# Altium PCB L1_SmashBoy_PCB2.PcbDoc (part 1 of 3)
Units mm, origin at the board's own origin, x right, y up, seen from the top; angles counter-clockwise.
Board outline 95.7 x 90 mm, 4 copper layers (Top Layer, Int1 (GND), Int2 (PWR), Bottom Layer), stack 1.531 mm thick; 133 components, 156 nets, 820 pads, 308 vias.
Unrouted connection lines stored in the file: 4.
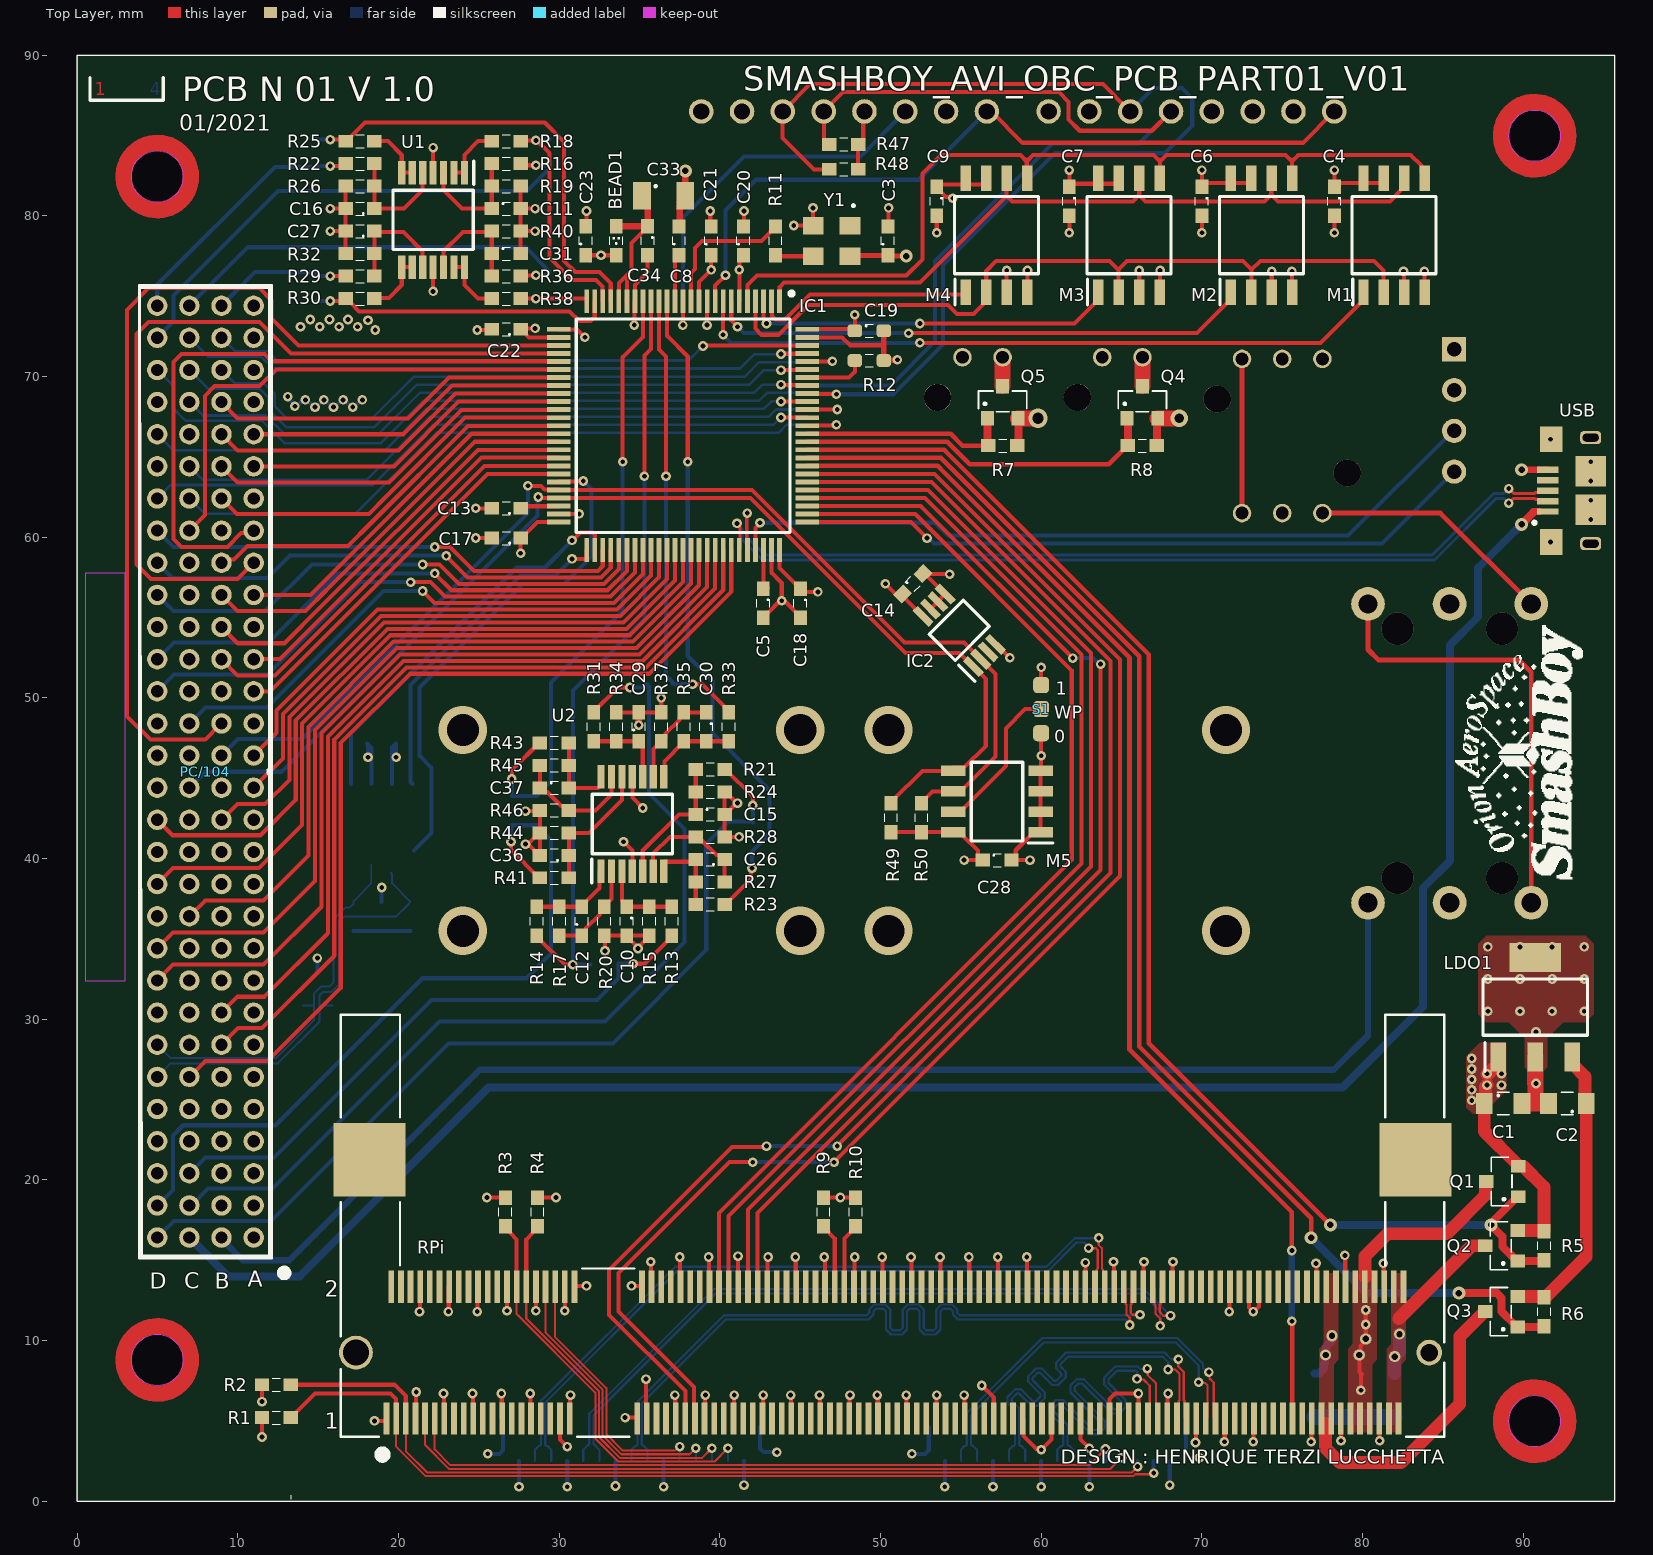
[diagram p0: Top Layer view]
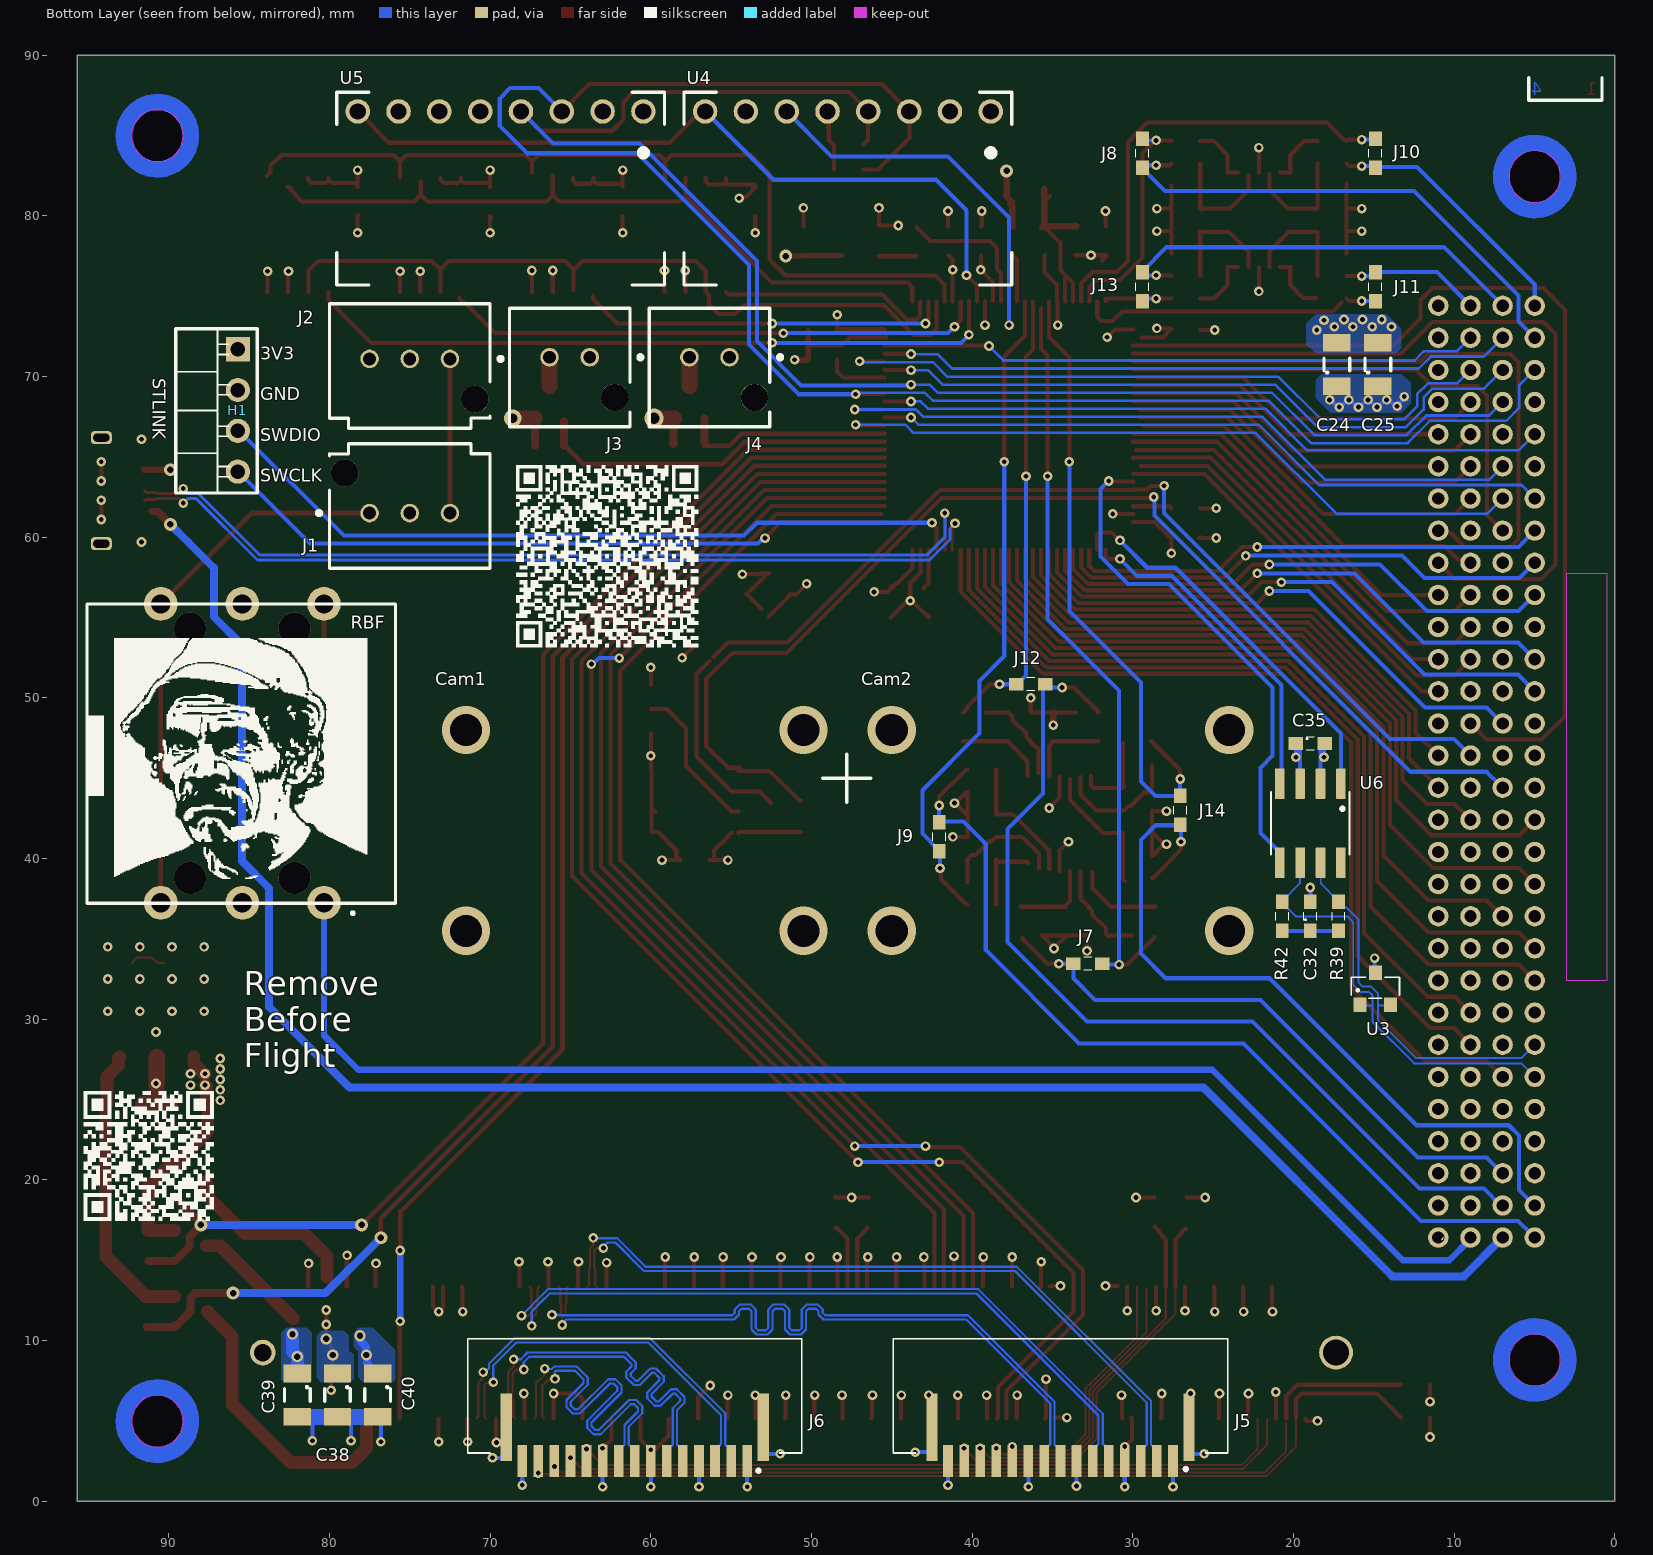
[diagram p1: Bottom Layer view, seen from below]
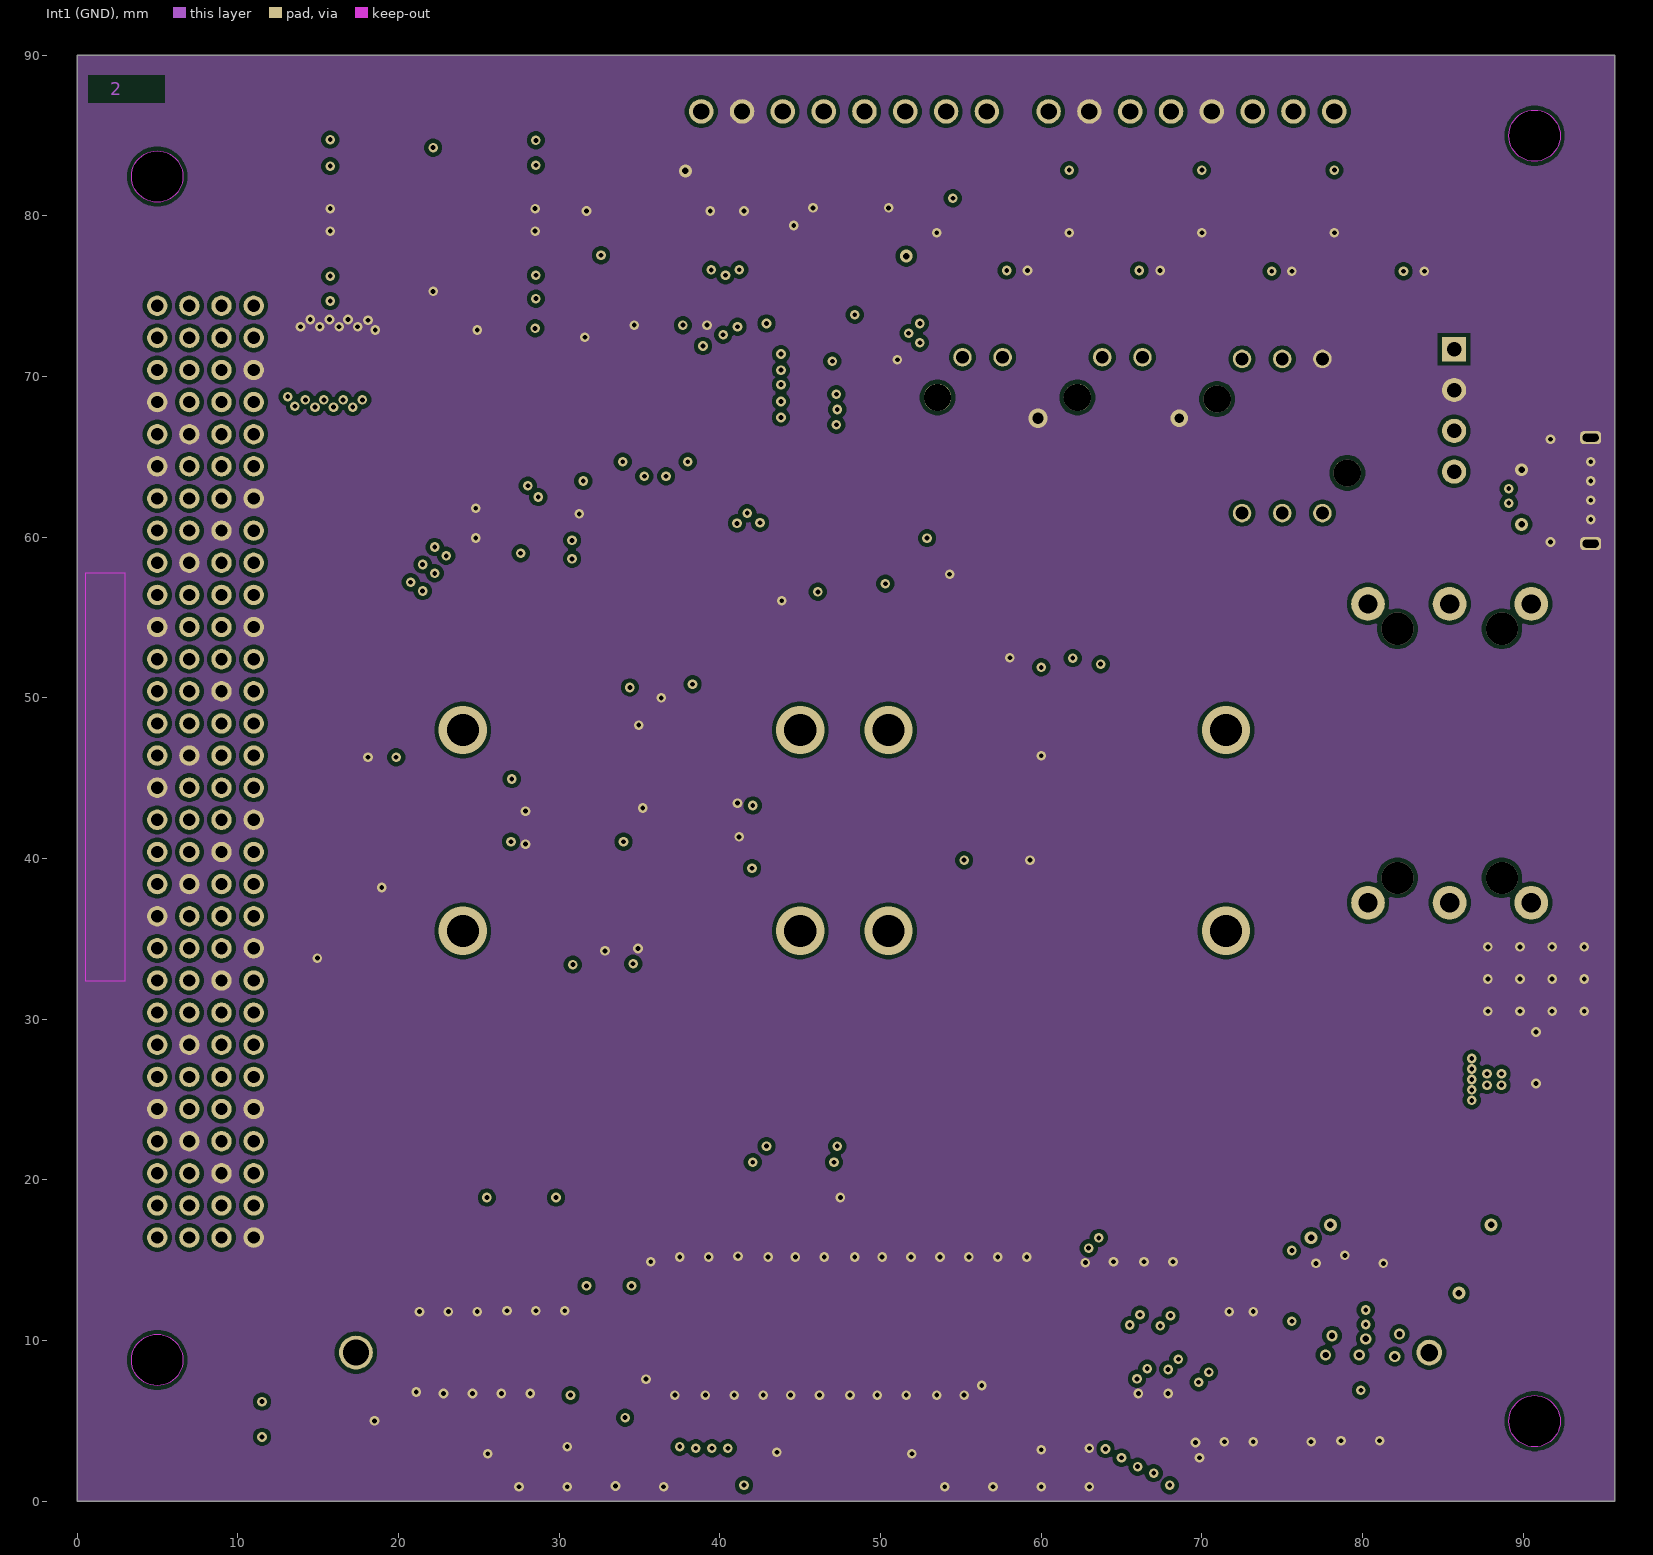
[diagram p2: Int1 (GND)]
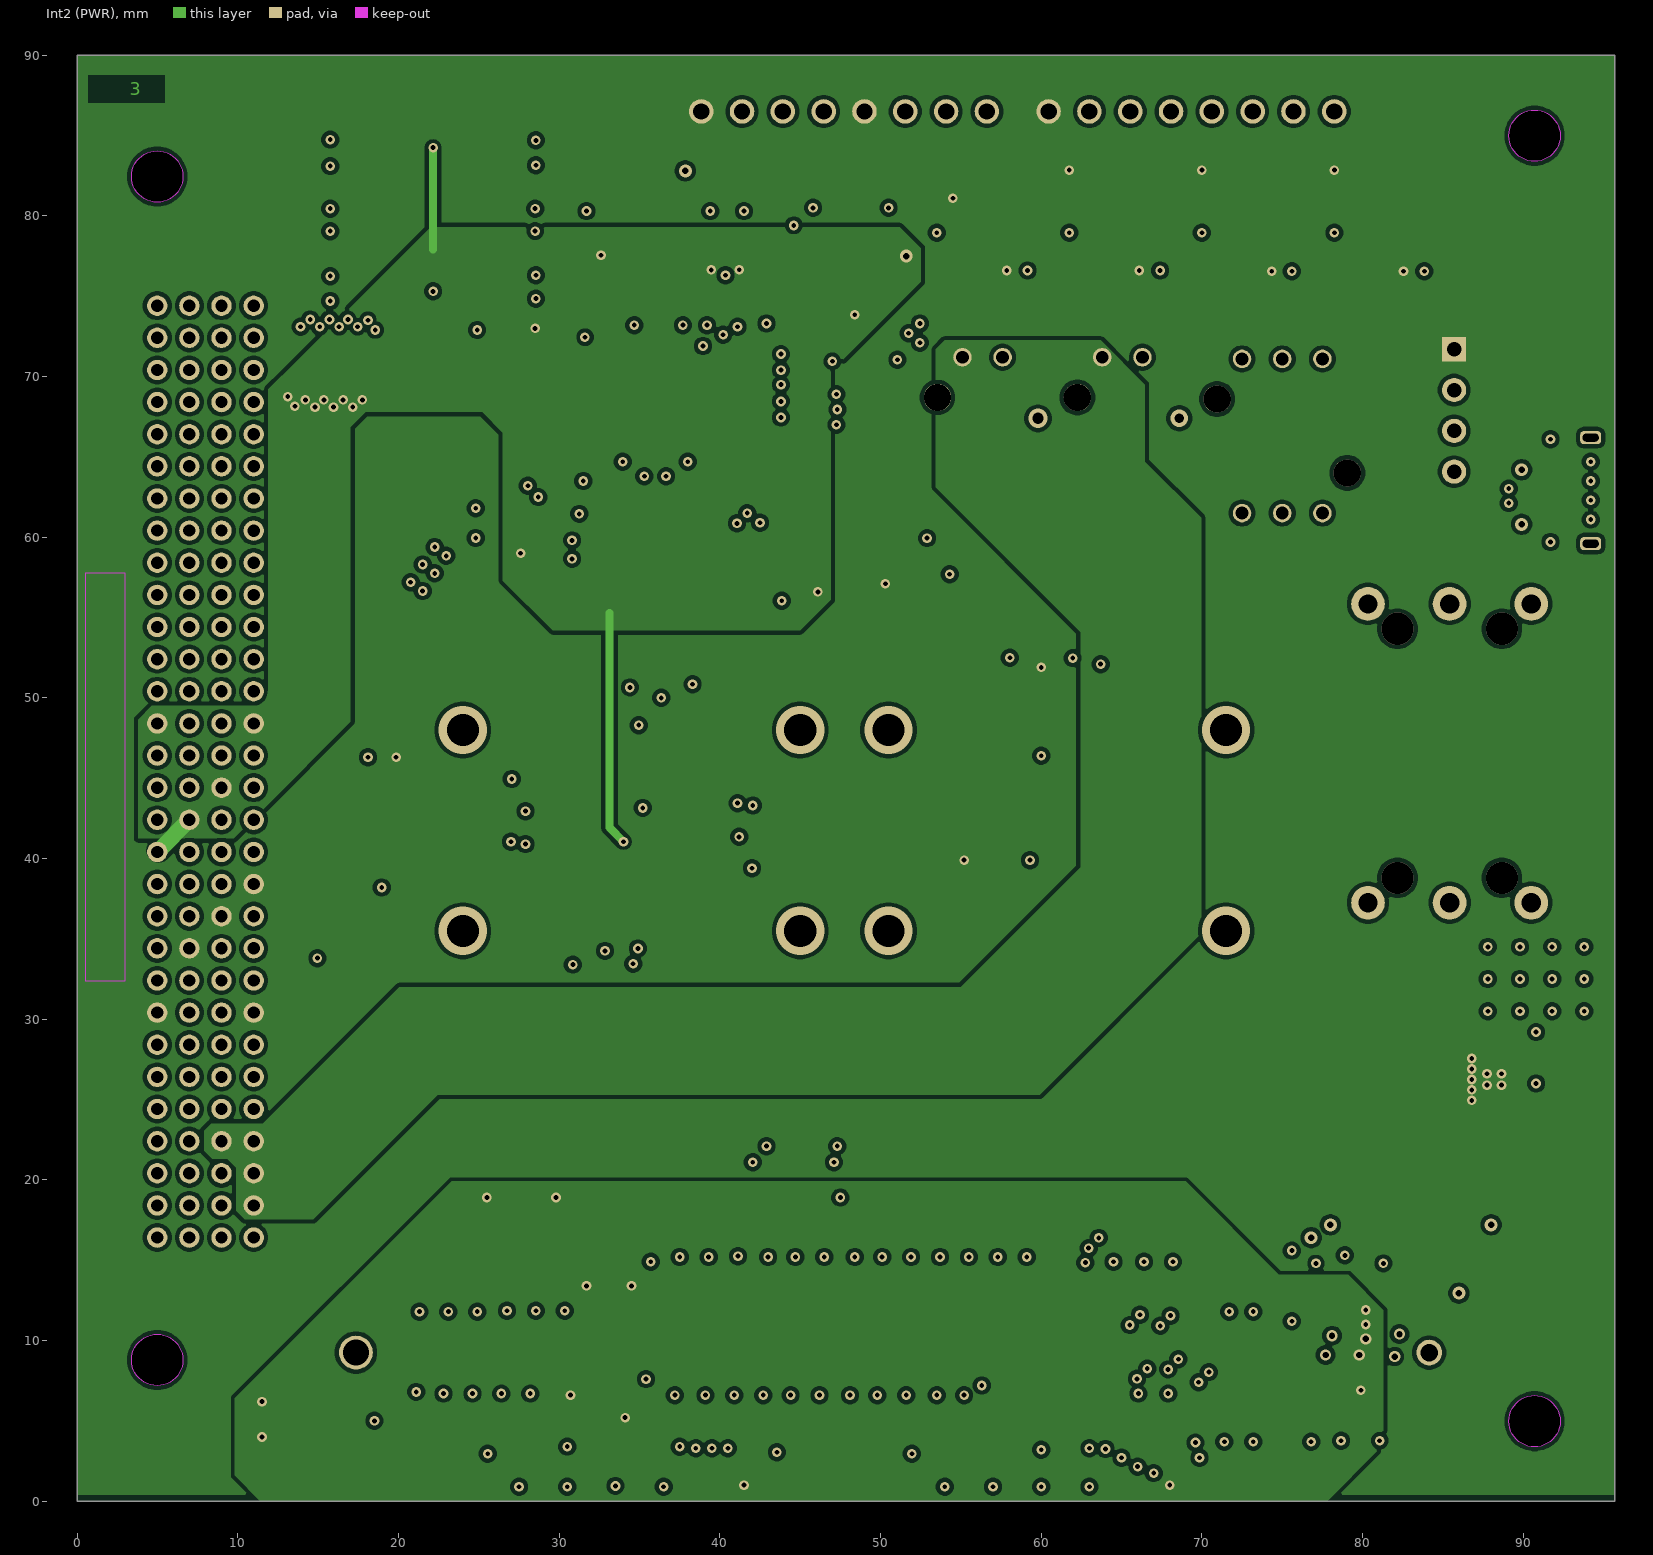
[diagram p3: Int2 (PWR)]

## Layer stack, top to bottom
Top Solder: solder mask 0.0203, SM-001, Dk 3.8
Top Layer: signal copper 0.035
Dielectric 1: prepreg 0.1803, PP-017, Dk 4.6
Int1 (GND): signal copper 0.0175
Dielectric 3: core 1.065, Core-039, Dk 4.6
Int2 (PWR): signal copper 0.0175
Dielectric 5: prepreg 0.1803, PP-017, Dk 4.6
Bottom Layer: signal copper 0.035
Bottom Solder: solder mask 0.0203, SM-001, Dk 3.8

## Board outline
0,0 95.7,0 95.7,90 0,90
cut-out: 3.38,82.45 cw(c4.98,82.45) 4.98,84.05 cw(c4.98,82.45) 6.58,82.45 cw(c4.98,82.45) 4.98,80.85 cw(c4.98,82.45)
cut-out: 89.11,84.99 cw(c90.71,84.99) 90.71,86.59 cw(c90.71,84.99) 92.31,84.99 cw(c90.71,84.99) 90.71,83.39 cw(c90.71,84.99)
cut-out: 89.11,4.98 cw(c90.71,4.98) 90.71,6.58 cw(c90.71,4.98) 92.31,4.98 cw(c90.71,4.98) 90.71,3.38 cw(c90.71,4.98)
cut-out: 3.38,8.79 cw(c4.98,8.79) 4.98,10.39 cw(c4.98,8.79) 6.58,8.79 cw(c4.98,8.79) 4.98,7.19 cw(c4.98,8.79)

## Design rules (kind name [scope] priority, off if disabled: settings)
Clearance Clearance_Defferents [All] p1: gap=0.254 ignorepadtopadclearanceinfootprint=FALSE except(0.1: Arc-Arc Arc-Track Track-Track; 0.11: Arc-THPad Arc-Via Track-THPad Track-Via; 0.127: SMDPad-SMDPad; 0.2: Arc-SMDPad Track-SMDPad; 0.3: Via-Via; 0.5: SMDPad-THPad THPad-THPad)
DiffPairsRouting CAM_DiffPairsRouting [InDifferentialPairClass('Camera')] p1: maxlimit=0.254 minlimit=0.127 mostfreqgap=0.254 toplayer_maxgap=0.127 toplayer_prefgap=0.127 toplayer_minwidth=0.14 toplayer_maxwidth=0.14 toplayer_prefwidth=0.14 bottomlayer_maxgap=0.127 bottomlayer_prefgap=0.127 bottomlayer_minwidth=0.14 bottomlayer_maxwidth=0.14 bottomlayer_prefwidth=0.14 impedanceprofiledriven=TRUE impedanceprofileid={45C40584-5B26-41E9-B30A-09CC3CCF649E} impedanceprofilevalue=100.000000 maxuncoupledlength=12.7
DiffPairsRouting USB_DiffPairsRouting [InDifferentialPairClass('USB')] p2: maxlimit=0.254 minlimit=0.127 mostfreqgap=0.254 toplayer_maxgap=0.127 toplayer_prefgap=0.127 toplayer_minwidth=0.191 toplayer_maxwidth=0.191 toplayer_prefwidth=0.191 bottomlayer_maxgap=0.127 bottomlayer_prefgap=0.127 bottomlayer_minwidth=0.191 bottomlayer_maxwidth=0.191 bottomlayer_prefwidth=0.191 impedanceprofiledriven=TRUE impedanceprofileid={2494876D-E25F-4611-8AFE-0DD5E4A9C8F3} impedanceprofilevalue=90.000000 maxuncoupledlength=12.7
DiffPairsRouting CAN_DiffPairsRouting [InDifferentialPairClass('CAN_BUS')] p3: maxlimit=0.254 minlimit=0.169 mostfreqgap=0.254 toplayer_mingap=0.21 toplayer_maxgap=0.21 toplayer_prefgap=0.21 toplayer_minwidth=0.12 toplayer_maxwidth=0.12 toplayer_prefwidth=0.12 bottomlayer_mingap=0.21 bottomlayer_maxgap=0.21 bottomlayer_prefgap=0.21 bottomlayer_minwidth=0.12 bottomlayer_maxwidth=0.12 bottomlayer_prefwidth=0.12 impedanceprofiledriven=TRUE impedanceprofileid={0D851708-2EBE-48F0-A0A5-C329664B20B2} impedanceprofilevalue=120.000000 maxuncoupledlength=12.7
HoleSize [All] p1: absolutevalues=TRUE maxlimit=6.3 minlimit=0.025 maxpercent=80.000 minpercent=20.000
HoleToHoleClearance [All] p1: gap=0.5 allowstackedmicrovias=TRUE
PlaneConnect [All] p1: planeconnectstyle=Direct reliefexpansion=0.508 reliefentries=4 reliefconductorwidth=0.254 reliefairgap=0.254
PolygonConnect [All] p1: connectstyle=Direct reliefconductorwidth=0.254 reliefentries=4 polygonreliefangle="45 Angle" airgapwidth=0.254
RoutingVias [All] p1: holewidth=0.4 width=0.8 viastyle="Through Hole" minholewidth=0.3 minwidth=0.6 maxholewidth=0.8 maxwidth=1.2
SolderMaskExpansion [All] p1: expansion=0.102 istentingtop=FALSE
Width [All] p1: maxlimit=3 minlimit=0.09 preferedwidth=0.127
26 further rules are at their usual default settings.

## Classes and differential pairs
differential pair class CAN_BUS: CAN
differential pair class USB: USB
differential pair class Camera: CAM0_C CAM0_D0 CAM0_D1 CAM1_C CAM1_D0 CAM1_D1
differential pair CAN: +CAN_P -CAN_N
differential pair USB: +USB_P -USB_N
differential pair CAM1_D1: +CAM1_D1_P -CAM1_D1_N
differential pair CAM1_D0: +CAM1_D0_P -CAM1_D0_N
differential pair CAM1_C: +CAM1_C_P -CAM1_C_N
differential pair CAM0_D1: +CAM0_D1_P -CAM0_D1_N
differential pair CAM0_D0: +CAM0_D0_P -CAM0_D0_N
differential pair CAM0_C: +CAM0_C_P -CAM0_C_N

## Components (designator, comment, footprint, x,y, rotation, side; value= is the part's Value field where it differs from the comment)
BEAD1 "600R @ 100MHz" IND0603 33.55,78.45 r90 top
C1 "10uF" CAP0805_085 88.75,24.75 r0 top
C2 "10uF" CAP0805_085 92.75,24.75 r180 top
C3 "100nF" CAP0603_060#1 50.459,78.44 r90 top
C4 "100nF" CAP0603_060#1 78.25,80.9 r270 top
C5 "2.2uF" CAP0603_060#1 42.7,55.9 r270 top
C6 "100nF" CAP0603_060#1 70,80.9 r270 top
C7 "100nF" CAP0603_060#1 61.75,80.9 r270 top
C8 "100nF" CAP0603_060#1 37.459,78.44 r90 top
C9 "100nF" CAP0603_060#1 53.5,80.9 r270 top
C10 "680pF" CAP0603_060#1 34.2,36.1 r270 top
C11 "680pF" CAP0603_060#1 26.7,80.45 r0 top
C12 "100pF" CAP0603_060#1 31.4,36.1 r90 top
C13 "2.2uF" CAP0603_060#1 26.7,61.8 r180 top
C14 "100nF" CAP0603_060#1 52,57.1 r45 top
C15 "680pF" CAP0603_060#1 39.4,42.75 r0 top
C16 "680pF" CAP0603_060#1 17.6,80.45 r180 top
C17 "100nF" CAP0603_060#1 26.709,59.94 r180 top
C18 "100nF" CAP0603_060#1 45.01,55.901 r270 top
C19 "100nF" CAP0603_060#2 49.3,72.85 r0 top
C20 "100nF" CAP0603_060#1 41.459,78.44 r90 top
C21 "100nF" CAP0603_060#1 39.459,78.44 r90 top
C22 "100nF" CAP0603_060#1 26.709,72.94 r180 top
C23 "100nF" CAP0603_060#1 31.65,78.45 r90 top
C24 "1uF" CAP1206_090 17.3,70.75 r90 bottom
C25 "4.7uF" CAP1206_090 14.75,70.75 r90 bottom
C26 "100pF" CAP0603_060#1 39.4,39.95 r180 top
C27 "680pF" CAP0603_060#1 17.6,79.05 r180 top
C28 "100nF" CAP0603_060#1 57.25,39.9 r0 top
C29 "680pF" CAP0603_060#1 34.95,48.2 r90 top
C30 "100pF" CAP0603_060#1 39.15,48.2 r270 top
C31 "680pF" CAP0603_060#1 26.7,77.65 r0 top
C32 "4.7nF" CAP0603_060#1 18.95,36.4 r90 bottom
C33 "1uF" CAP1206_090 36.5,81.25 r0 top
C34 "10nF" CAP0603_060#1 35.5,78.45 r270 top
C35 "100nF" CAP0603_060#1 18.95,47.15 r180 bottom
C36 "680pF" CAP0603_060#1 29.7,40.2 r180 top
C37 "100pF" CAP0603_060#1 29.7,44.4 r0 top
C38 "47uF" CAP1206_090 79.5,6.6 r270 bottom
C39 "47uF" CAP1206_090 82,6.6 r270 bottom
C40 "47uF" CAP1206_090 77,6.6 r270 bottom
Cam1 "RPi Cam V2" RPi_CAM_V2 48.5,50 r0 bottom locked
Cam2 "RPi Cam V2" RPi_CAM_V2 22,50 r0 bottom locked
H1 "STLINK" Header-4P-90 85.7,67.89 r270 bottom locked
IC1 "STM32H750VBT6" QFP50P1600X1600X160-100N 37.709,66.94 r270 top locked
IC2 "LM75ADP" SOP65P490X110-8N 54.9,54.2 r135 top
J1 "3-1971800-3" 3-1971800-3 75,61.5 r0 bottom locked
J2 "3-1971800-3" 3-1971800-3 75,71.1 r180 bottom locked
J3 "2-1971800-4" 2-1971800-4 63.8,71.2 r180 bottom locked
J4 "2-1971800-4" 2-1971800-4 55.1,71.2 r180 bottom locked
J5 "SFW15R-1STE1LF" SFW15R1STE1LF 34.5,3 r0 bottom locked
J6 "SFW15R-1STE1LF" SFW15R1STE1LF 61,3 r0 bottom locked
J7 "0" RES0603#1 32.8,33.45 r180 bottom
J8 "0" RES0603#1 29.4,83.9 r90 bottom
J9 "0" RES0603#1 42.05,41.35 r270 bottom
J10 "0" RES0603#1 14.9,83.9 r90 bottom
J11 "0" RES0603#1 14.9,75.6 r270 bottom
J12 "0" RES0603#1 36.35,50.85 r0 bottom
J13 "0" RES0603#1 29.4,75.6 r270 bottom
J14 "0" RES0603#1 27.05,43 r90 bottom
LDO1 "TL1963A-18DCYR" SOT230P700X180-4N 90.75,30.75 r90 top
M1 "W25Q128JVSIQ_TR" SOIC127P780X195-8N 81.965,78.8 r90 top locked
M2 "W25Q128JVSIQ_TR" SOIC127P780X195-8N 73.715,78.8 r90 top locked
M3 "W25Q128JVSIQ_TR" SOIC127P780X195-8N 65.465,78.8 r90 top locked
M4 "W25Q128JVSIQ_TR" SOIC127P780X195-8N 57.215,78.8 r90 top locked
M5 "24LC04BT-I_SN" SOIC127P600X175-8N 57.25,43.55 r180 top